# Altium PCB Calculator.PcbDoc
Units mm, origin at the board's own origin, x right, y up, seen from the top; angles counter-clockwise.
Board outline 115 x 85 mm, 2 copper layers (Top Layer, Bottom Layer), stack 1.591 mm thick; 66 components, 74 nets, 358 pads, 53 vias.
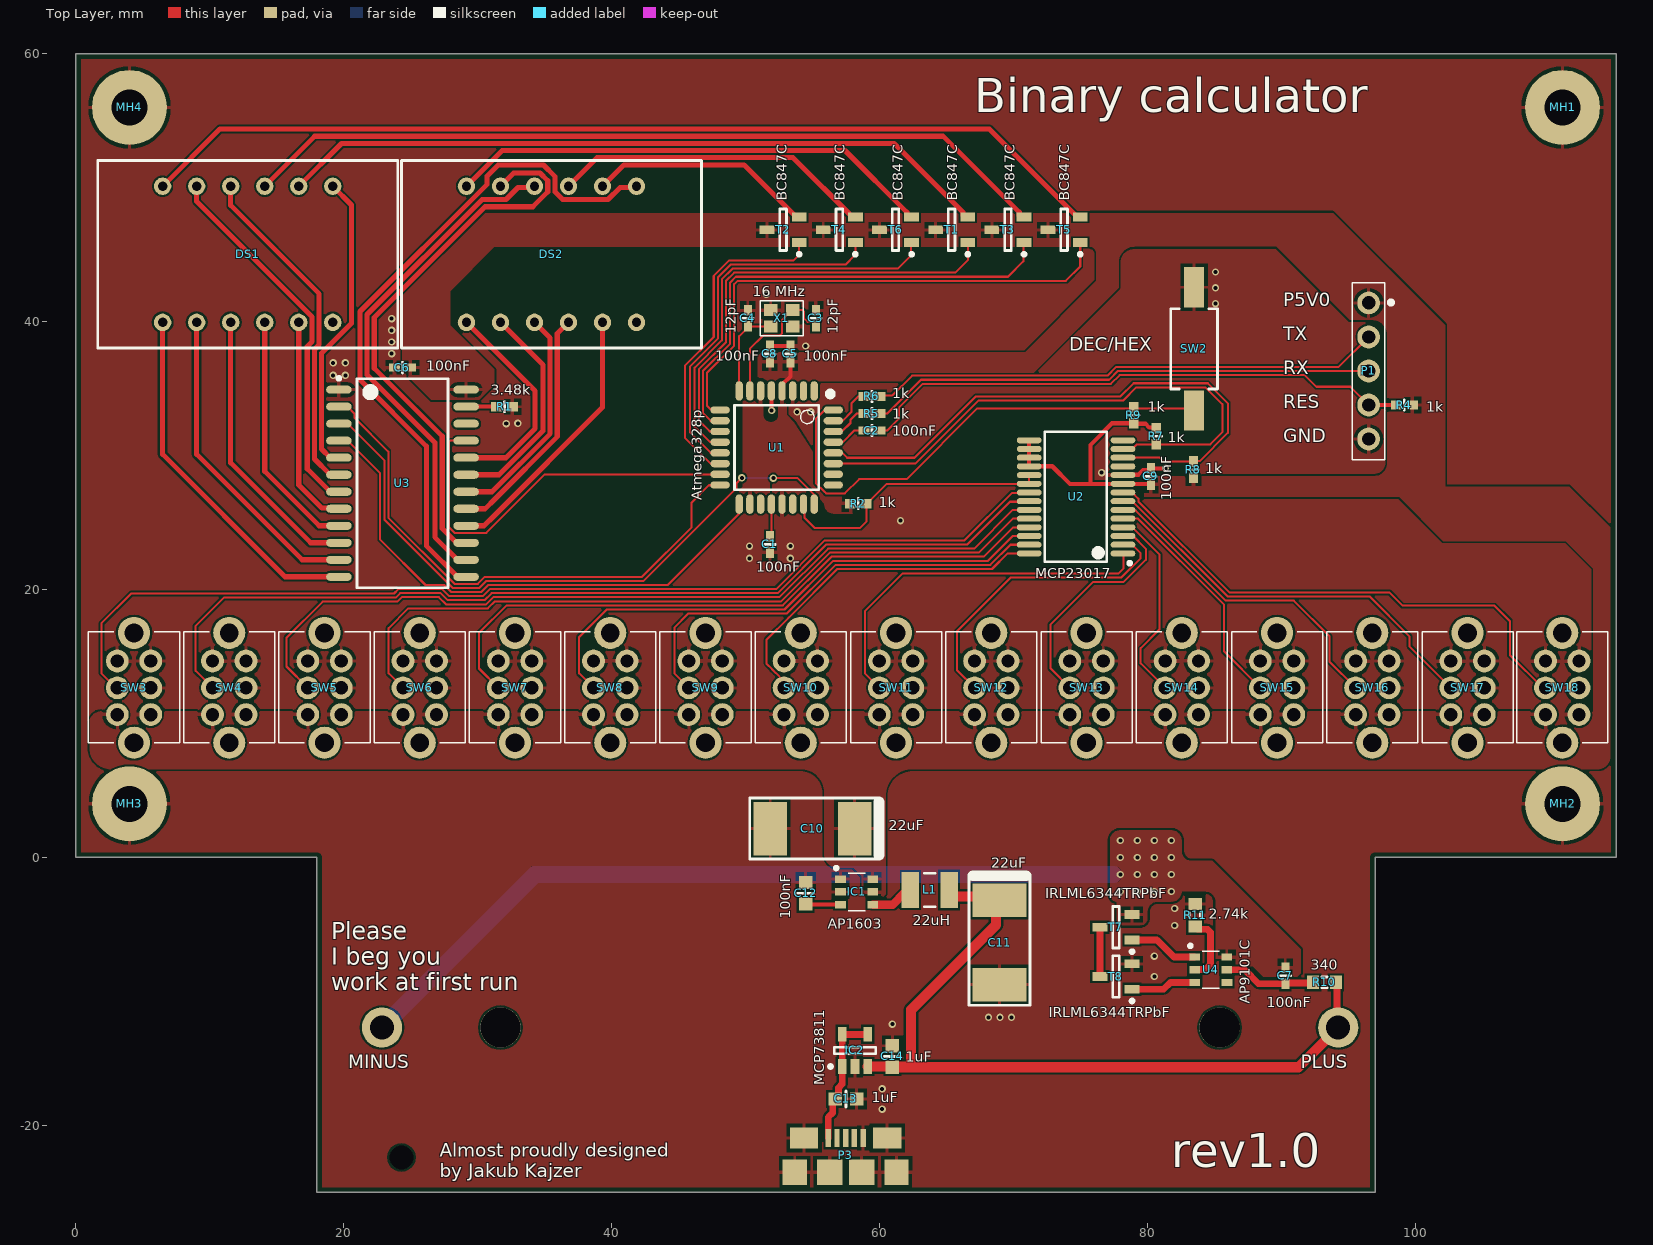
[diagram p0: Top Layer view]
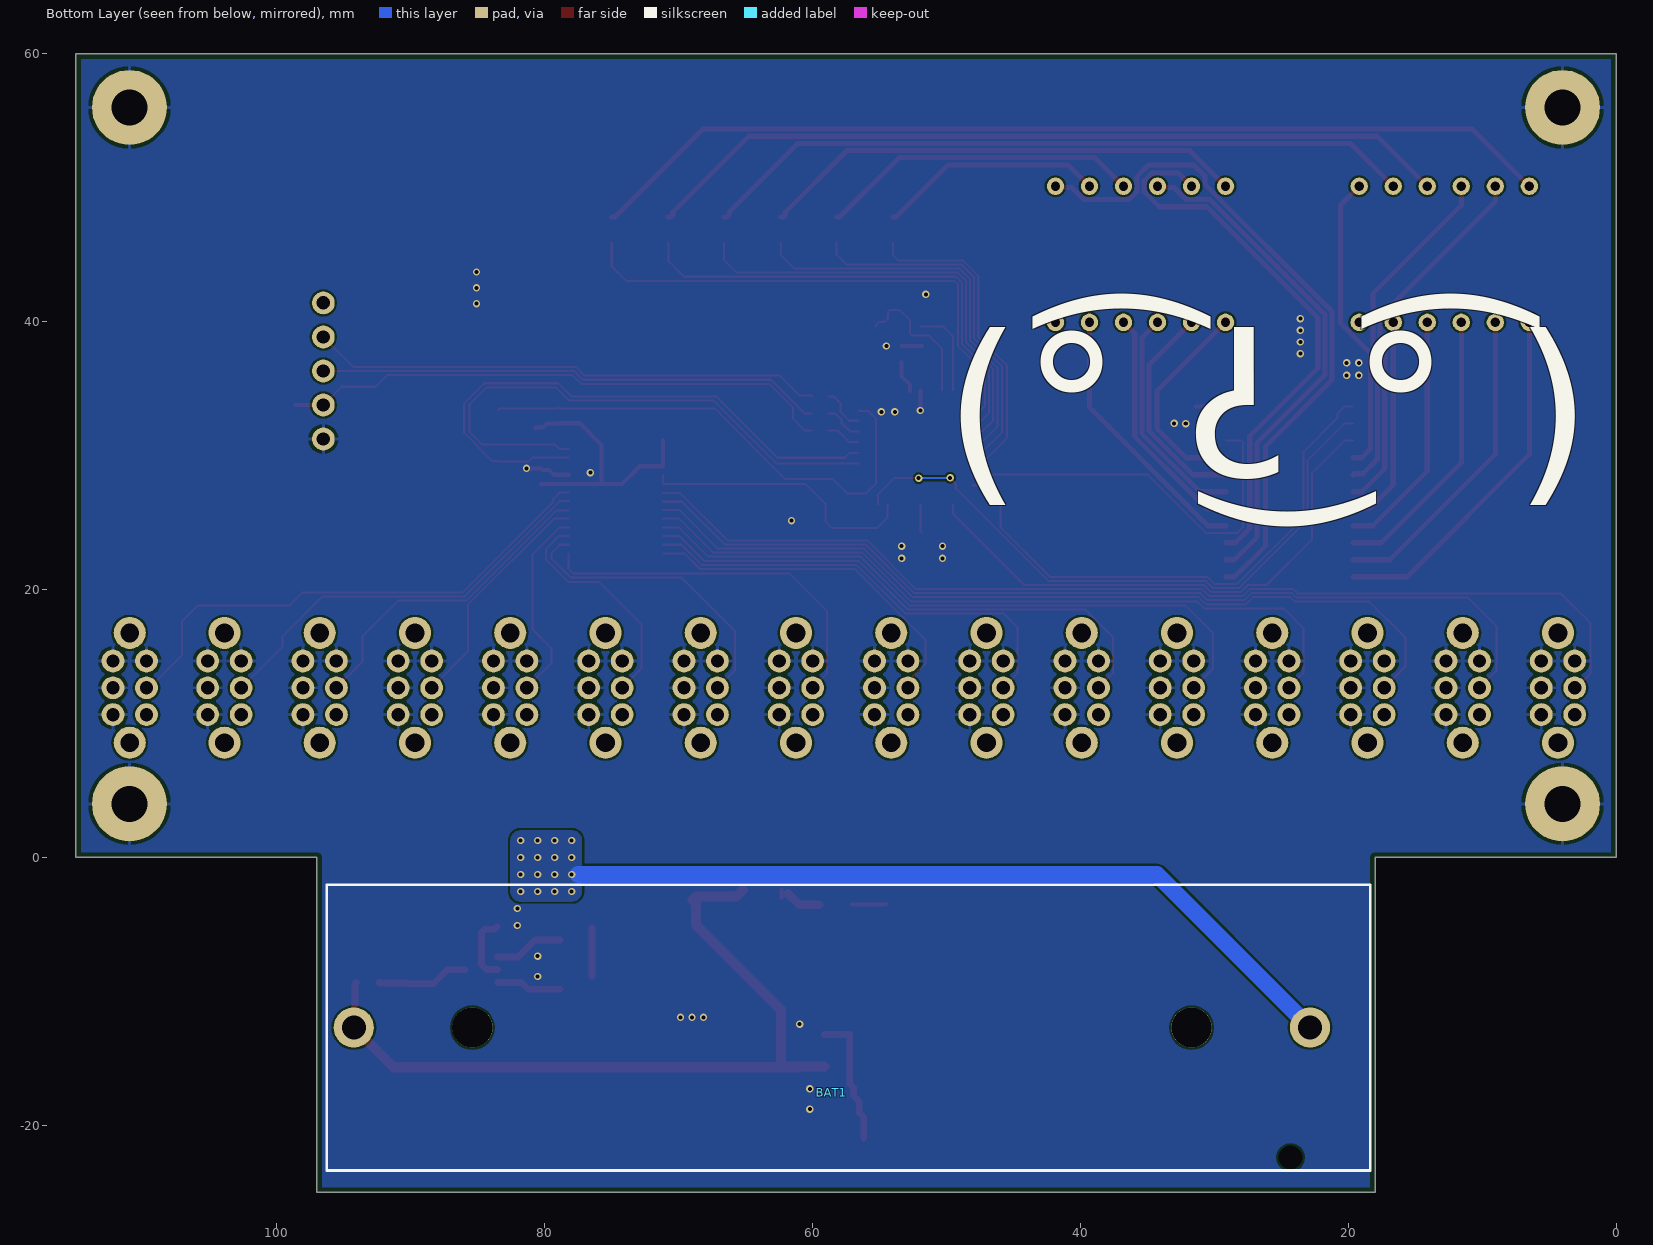
[diagram p1: Bottom Layer view, seen from below]
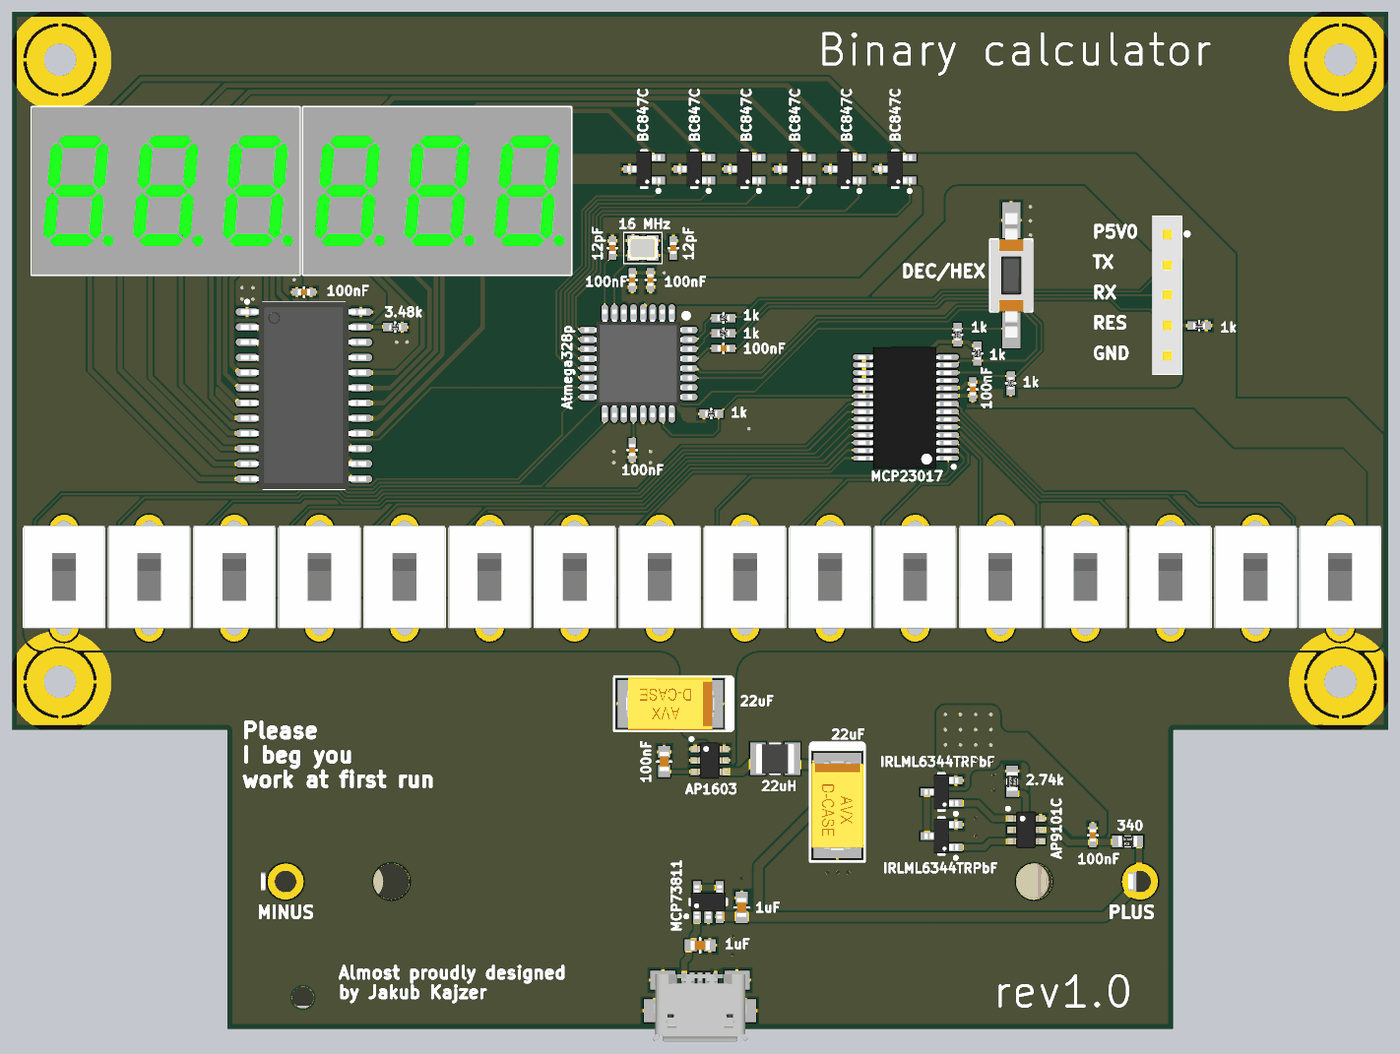
[diagram p2: 3D render of the assembled board from above, using the file's embedded part models]

## Layer stack, top to bottom
Top Solder: solder mask 0.0102, Solder Resist, Dk 3.5
Top Layer: signal copper 0.0356
Dielectric 1: dielectric 1.52, FR-4, Dk 4.8
Bottom Layer: signal copper 0.0356
Bottom Solder: solder mask 0.0102, Solder Resist, Dk 3.5

## Board outline
0,0 18,0 18,-25.004 97,-25.004 97,0 114.996,0 114.996,59.996 0,59.996

## Design rules (kind name [scope] priority, off if disabled: settings)
BoardOutlineClearance [All] p1: gap=0.381 ignorepadtopadclearanceinfootprint=FALSE
Clearance [All] p1: gap=0.152 ignorepadtopadclearanceinfootprint=FALSE except(0: Arc-Hole Track-Hole SMDPad-Hole THPad-Hole Via-Hole Fill-Hole Poly-Hole Region-Hole Text-Hole)
HoleSize [All] p1: absolutevalues=TRUE maxlimit=3.048 minlimit=0.025 maxpercent=80.000 minpercent=20.000
HoleToHoleClearance [All] p1: gap=0.254 allowstackedmicrovias=FALSE
MinimumSolderMaskSliver [All] p1: minsoldermaskwidth=0.152
PlaneConnect [All] p1: pad.planeconnectstyle=Relief pad.reliefexpansion=0.508 pad.reliefentries=4 pad.reliefconductorwidth=0.254 pad.reliefairgap=0.254 via.planeconnectstyle=Direct via.reliefexpansion=0.508 via.reliefentries=4 via.reliefconductorwidth=0.254 via.reliefairgap=0.254
PolygonConnect [All] p1: thpad.connectstyle=Relief thpad.reliefconductorwidth=0.254 thpad.reliefentries=4 thpad.polygonreliefangle="90 Angle" thpad.airgapwidth=0.254 smdpad.connectstyle=Relief smdpad.reliefconductorwidth=0.254 smdpad.reliefentries=4 smdpad.polygonreliefangle="90 Angle" smdpad.airgapwidth=0.254 via.connectstyle=Direct via.reliefconductorwidth=0.254 via.reliefentries=4 via.polygonreliefangle="90 Angle" via.airgapwidth=0.254
RoutingVias [All] p1: holewidth=0.3 width=0.55 viastyle="Through Hole" minholewidth=0.3 minwidth=0.55 maxholewidth=0.3 maxwidth=0.55
SilkToSilkClearance [All] p1: silktosilkclearance=0.102
SilkToSolderMaskClearance [IsPad] p1: minsilkscreentomaskgap=0.152 clearancetoexposedcopper=TRUE
SolderMaskExpansion [All] p1: expansion=0.102 istentingtop=FALSE
UnRoutedNet [All] p1: checkbadconnections=TRUE
Width [All] p1: maxlimit=1.27 minlimit=0.152 preferedwidth=0.305 minimp=50.000000 maximp=50.000000 favimp=50.000000
23 further rules are at their usual default settings.

## Classes and differential pairs
component class DCDC_Converter: C7 C10 C11 C12 C13 C14 IC1 IC2 L1 R10 R11 T7 T8 U4
component class uC: C1 C2 C3 C4 C5 C8 C9 R2 R4 R5 R6 R7 R8 R9 U1 U2 X1
component class LEDs: C6 DS1 DS2 R1 T1 T2 T3 T4 T5 T6 U3
component class Connectors_and_mechanical: BAT1 MH1 MH2 MH3 MH4 P1 P3 SW2 SW3 SW4 SW5 SW6 SW7 SW8 SW9 SW10 SW11 SW12 SW13 SW14 SW15 SW16 SW17 SW18

## Components (designator, comment, footprint, x,y, rotation, side; value= is the part's Value field where it differs from the comment)
BAT1 "=Value" "18650 Holder" 58.547,-12.7 r180 bottom
C1 "100nF" CAPC0402X60N 51.816,23.368 r90 top
C2 "100nF" CAPC0402X60N 59.436,31.877 r0 top
C3 "12pF" CAPC0402X60N 55.245,40.259 r90 top
C4 "12pF" CAPC0402X60N 50.165,40.259 r270 top
C5 "100nF" CAPC0402X60N 53.34,37.592 r270 top
C6 "100nF" CAPC0402X60N 24.384,36.576 r0 top
C7 "100nF" CAPC0402X60N 90.297,-8.83 r270 top
C8 "100nF" CAPC0402X60N 51.816,37.592 r270 top
C9 "100nF" CAPC0402X60N 80.264,28.448 r270 top
C10 "22uF" CAPC2917X310N 54.991,2.159 r180 top
C11 "22uF" CAPC2917X310N 68.961,-6.35 r270 top
C12 "100nF" CAPC0603X90N 54.483,-2.667 r270 top
C13 "1uF" CAPC0603X90N 57.493,-18.034 r180 top
C14 "1uF" CAPC0603X90N 60.96,-14.859 r270 top
DS1 "" 7seg_3digits 6.477,39.954 r0 top locked
DS2 "" 7seg_3digits 29.159,39.954 r0 top locked
IC1 "AP1603" SOT26 58.293,-2.569 r0 top
IC2 "MCP73811" SOT23-5 58.166,-14.409 r90 top
L1 "22uH" INDC1210X150N 63.754,-2.427 r180 top
MH1 "M2.5" MH-M2.5_COPPER#1 111.316,55.436 r0 top locked
MH2 "M2.5" MH-M2.5_COPPER#2 111.316,4 r0 top locked
MH3 "M2.5" MH-M2.5_COPPER#3 4,4 r0 top locked
MH4 "M2.5" MH-M2.5_COPPER#4 4,55.436 r0 top
P1 "SSW-105-02-G-S" SAMTEC_SSW-105-02-G-S 96.52,37.592 r270 top
P3 "USB Micro B" "USB Micro" 57.474,-22.22 r0 top
R1 "3.48k" RESC0402X40N 32.004,33.655 r180 top
R2 "1k" RESC0402X40N 58.42,26.416 r180 top
R4 "1k" RESC0402X40N 99.187,33.782 r0 top
R5 "1k" RESC0402X40N 59.436,33.147 r0 top
R6 "1k" RESC0402X40N 59.436,34.417 r0 top
R7 "1k" RESC0402X40N 80.67,31.445 r90 top
R8 "1k" RESC0402X40N 83.439,28.956 r270 top
R9 "1k" RESC0402X40N 78.994,33.02 r270 top
R10 "340" RESC0603X60N 93.218,-9.33 r180 top
R11 "2.74k" RESC0603X60N 83.566,-4.318 r270 top
SW2 "PTS636" PTS636_SMT_G 83.49,37.973 r270 top
SW3 "SS008B" SS008B-02P-22 4.338,12.668 r0 top
SW4 "SS008B" SS008B-02P-22 11.45,12.668 r0 top
SW5 "SS008B" SS008B-02P-22 18.562,12.668 r0 top
SW6 "SS008B" SS008B-02P-22 25.674,12.668 r0 top
SW7 "SS008B" SS008B-02P-22 32.786,12.668 r0 top
SW8 "SS008B" SS008B-02P-22 39.898,12.668 r0 top
SW9 "SS008B" SS008B-02P-22 47.01,12.668 r0 top
SW10 "SS008B" SS008B-02P-22 54.122,12.668 r0 top
SW11 "SS008B" SS008B-02P-22 61.234,12.668 r0 top
SW12 "SS008B" SS008B-02P-22 68.346,12.668 r0 top
SW13 "SS008B" SS008B-02P-22 75.458,12.668 r0 top
SW14 "SS008B" SS008B-02P-22 82.57,12.668 r0 top
SW15 "SS008B" SS008B-02P-22 89.682,12.668 r0 top
SW16 "SS008B" SS008B-02P-22 96.794,12.668 r0 top
SW17 "SS008B" SS008B-02P-22 103.906,12.668 r0 top
SW18 "SS008B" SS008B-02P-22 110.978,12.668 r0 top
T1 "BC847C" SOT23-3 65.393,46.863 r180 top
T2 "BC847C" SOT23-3 52.802,46.863 r180 top
T3 "BC847C" SOT23-3 69.59,46.863 r180 top
T4 "BC847C" SOT23-3 56.999,46.863 r180 top
T5 "BC847C" SOT23-3 73.787,46.863 r180 top
T6 "BC847C" SOT23-3 61.196,46.863 r180 top
T7 "IRLML6344TRPbF" SOT23-3 77.654,-5.207 r180 top
T8 "IRLML6344TRPbF" SOT23-3 77.654,-8.89 r180 top
U1 "Atmega328p" STM-LQFP32_N 52.324,30.607 r270 top
U2 "MCP23017" SSOP28 74.676,26.924 r180 top
U3 "" SOP-24_N 24.384,27.94 r0 top
U4 "AP9101C" SOT26 84.733,-8.382 r0 top
X1 "16 MHz" LFXTAL069392CUTT 52.705,40.259 r180 top

## Footprints (in the part's own frame and the unit in brackets; to place one, negate y for a bottom-side part, rotate by r counter-clockwise, add the part's x,y. Pads: shape width x height; smd on the part's side, far side on the other; paste and mask are expansions set on the pad)
7seg_3digits [mm] "7seg 3 digits LED Display, 12 Pin Body 22.5x14mm"
  round 1.3 hole 0.7: 1(0,0) 2(2.54,0) 3(5.08,0) 4(7.62,0) 5(10.16,0) 6(12.7,0) 7(12.7,10.16) 8(10.16,10.16) 9(7.62,10.16) 10(5.08,10.16) 11(2.54,10.16) 12(0,10.16)
  silkscreen extent -4.85,-1.92 17.55,12.08, body extent -4.85,-1.92 17.55,12.08, height 7.1
"18650 Holder" [mm] "18650 battery holder THT, 75x21mm body"
  round 3 hole 1.8: MINUS(35.7,0) PLUS(-35.7,0)
  round 3 hole 3: ""(-26.85,0) ""(26.85,0)
  round 0 hole 1.8: ""(34.25,-9.7)
  silkscreen extent -37.73,-10.67 40.18,10.67, body extent -37.5,-10.4 40.15,10.4, height 21.65
CAPC0402X60N [mm] "Chip Capacitor, Body 1.0x0.5mm, IPC Medium Density"
  rect 0.8x0.6 smd: 1(-0.6,0) 2(0.6,0)
  silkscreen extent 0,-0.4 0,0.4, body extent -0.5,-0.25 0.5,0.25, height 0.6
CAPC0603X90N [mm] "Chip Capacitor, Body 1.6x0.8mm, IPC Medium Density"
  rect 1x1 smd: 1(-0.8,0) 2(0.8,0)
  silkscreen extent 0,-0.6 0,0.6, body extent -0.8,-0.4 0.8,0.4, height 0.9
CAPC2917X310N [mm] "Chip Capacitor, Body 7.3x4.3mm, IPC Medium Density"
  rect 2.5x4 smd: 1(-3.15,0) 2(3.15,0)
  silkscreen extent -4.97,-2.27 4.67,2.27, body extent -3.7,-2.22 3.7,2.23, height 3.01
INDC1210X150N [mm] "Chip Inductor, Body 3.2x2.5mm, IPC Medium Density"
  rect 1.3x2.7 smd: 1(-1.45,0) 2(1.45,0)
  silkscreen extent -0.4,-1.25 0.4,1.25, body extent -1.6,-1.25 1.6,1.25, height 1.5
LFXTAL069392CUTT [mm]
  rect 1x0.9 smd: 1(-0.825,-0.613) 2(0.825,-0.613) 3(0.825,0.613) 4(-0.825,0.613)
  silkscreen extent -1.6,-1.3 1.6,1.3, body extent -1.25,-1 1.25,1, height 0.8
MH-M2.5_COPPER#1 [mm] "M2.5 screw Mounting Hole with copper without washer"
  round 5.6 hole 2.7 mask+1.5: MH(-0.32,0.56)
MH-M2.5_COPPER#2 [mm] "M2.5 screw Mounting Hole with copper without washer"
  round 5.6 hole 2.7 mask+1.5: MH(-0.32,0)
MH-M2.5_COPPER#3 [mm] "M2.5 screw Mounting Hole with copper without washer"
  round 5.6 hole 2.7 mask+1.5: MH(0,0)
MH-M2.5_COPPER#4 [mm] "M2.5 screw Mounting Hole with copper without washer"
  round 5.6 hole 2.7 mask+1.5: MH(0,0.56)
PTS636_SMT_G [mm] "SMD TACT Switch, 2-Leads, Body 6x3.5mm, IPC Medium Density"
  rect 3x1.5 smd: 1(-4.6,0) 2(4.6,0)
  silkscreen extent -3,-1.75 3,1.75, body extent -5.2,-1.75 5.2,1.75, height 5
RESC0402X40N [mm] "Chip Resistor, Body 1.1x0.5mm, IPC Medium Density"
  rect 0.8x0.7 smd: 1(-0.6,0) 2(0.6,0)
  silkscreen extent 0,-0.38 0,0.38, body extent -0.5,-0.25 0.5,0.25, height 0.35
RESC0603X60N [mm] "Chip Resistor, Body 1.6x0.8mm, IPC Medium Density"
  rect 0.9x1 smd: 1(-0.85,0) 2(0.85,0)
  silkscreen extent -0.2,-0.4 0.2,0.4, body extent -0.77,-0.42 0.78,0.43, height 0.45
SAMTEC_SSW-105-02-G-S [mm] "5 Contacts, Pitch 2.54mm - Top Entry, Single Row, Through Mount Straigh Socket"
  round 1.7 hole 1: 1(-3.81,0) 2(-1.27,0) 3(1.27,0) 4(3.81,0) 5(6.35,0)
  silkscreen extent -5.33,-1.21 7.9,1.82, body extent -5.33,-1.21 7.87,1.21, height 8.51
SOP-24_N [mm] "SOP, 24-Leads, Body 15,40x7,50mm, Pitch 1,27mm, IPC Medium Density"
  oval 1.9x0.6 smd: 1(-4.75,6.985) 2(-4.75,5.715) 3(-4.75,4.445) 4(-4.75,3.175) 5(-4.75,1.905) 6(-4.75,0.635) 7(-4.75,-0.635) 8(-4.75,-1.905) 9(-4.75,-3.175) 10(-4.75,-4.445) 11(-4.75,-5.715) 12(-4.75,-6.985) 13(4.75,-6.985) 14(4.75,-5.715) 15(4.75,-4.445) 16(4.75,-3.175) 17(4.75,-1.905) 18(4.75,-0.635) 19(4.75,0.635) 20(4.75,1.905) 21(4.75,3.175) 22(4.75,4.445) 23(4.75,5.715) 24(4.75,6.985)
  silkscreen extent -4.87,-7.8 3.4,7.96, body extent -5.27,-7.85 5.2,7.85, height 1.9
SOT23-3 [mm] "SOT, 3-Leads, Body 2.9x1.6mm, Pitch 0.95mm, IPC Medium Density"
  rect 1.1x0.65 smd: 1(-1.2,0.95) 2(-1.2,-0.95) 3(1.2,0)
  silkscreen extent -1.33,-1.55 0.25,1.95, body extent -1.4,-1.45 1.4,1.45, height 1.3
SOT23-5 [mm] "SOT, 5-Leads, Body 2.9x1.6mm, Pitch 0.95mm, IPC Medium Density"
  rect 1.1x0.65 smd: 1(-1.2,0.95) 2(-1.2,0) 3(-1.2,-0.95) 4(1.2,-0.95) 5(1.2,0.95)
  silkscreen extent -1.32,-1.55 0.25,1.95, body extent -1.4,-1.45 1.4,1.45, height 1.45
SOT26 [mm] "SOT, 6-Leads, Body 1.7x3.1mm, Pitch 0.95mm, IPC Medium Density"
  rect 0.8x0.55 smd: 1(-1.206,0.95) 2(-1.206,0) 3(-1.206,-0.95) 4(1.206,-0.95) 5(1.194,0) 6(1.194,0.95)
  silkscreen extent -1.64,-1.4 0.64,1.9, body extent -1.5,-1.55 1.5,1.55, height 1.4
SS008B-02P-22 [mm] "2 position; DPDT; 0,3A/30VDC; ON-ON; 50m?"
  round 1.7 hole 1: 1(-1.25,-2) 2(-1.25,0) 3(-1.25,2) 4(1.25,-2) 5(1.25,0) 6(1.25,2)
  round 2.4 hole 1.4: ""(0,-4.1) ""(0,4.1)
  silkscreen extent -3.4,-4.1 3.4,4.2, body extent -3.4,-4.2 3.4,4.4, height 9
SSOP28 [mm] "SSOP, 28-Leads, Body 10.2x7.8mm, Pitch 0.65mm, IPC Medium Density"
  oval 1.85x0.45 smd: 1(-3.5,4.225) 2(-3.5,3.575) 3(-3.5,2.925) 4(-3.5,2.275) 5(-3.5,1.625) 6(-3.5,0.975) 7(-3.5,0.325) 8(-3.5,-0.325) 9(-3.5,-0.975) 10(-3.5,-1.625) 11(-3.5,-2.275) 12(-3.5,-2.925) 13(-3.5,-3.575) 14(-3.5,-4.225) 15(3.5,-4.225) 16(3.5,-3.575) 17(3.5,-2.925) 18(3.5,-2.275) 19(3.5,-1.625) 20(3.5,-0.975) 21(3.5,-0.325) 22(3.5,0.325) 23(3.5,0.975) 24(3.5,1.625) 25(3.5,2.275) 26(3.5,2.925) 27(3.5,3.575) 28(3.5,4.225)
  silkscreen extent -4.13,-4.85 2.35,5.07, body extent -3.81,-5.07 3.99,5.13, height 2.06
STM-LQFP32_N [mm] "CQFP, 32-Leads, Body 9.00x9.00mm, Pitch 0.80mm, IPC Medium Density"
  oval 1.45x0.55 smd: 1(-4.225,2.8) 2(-4.225,2) 3(-4.225,1.2) 4(-4.225,0.4) 5(-4.225,-0.4) 6(-4.225,-1.2) 7(-4.225,-2) 8(-4.225,-2.8) 17(4.225,-2.8) 18(4.225,-2) 19(4.225,-1.2) 20(4.225,-0.4) 21(4.225,0.4) 22(4.225,1.2) 23(4.225,2) 24(4.225,2.8)
  oval 0.55x1.45 smd: 9(-2.8,-4.225) 10(-2,-4.225) 11(-1.2,-4.225) 12(-0.4,-4.225) 13(0.4,-4.225) 14(1.2,-4.225) 15(2,-4.225) 16(2.8,-4.225) 25(2.8,4.225) 26(2,4.225) 27(1.2,4.225) 28(0.4,4.225) 29(-0.4,4.225) 30(-1.2,4.225) 31(-2,4.225) 32(-2.8,4.225)
  silkscreen extent -4.2,-3.15 3.15,4.2, body extent -4.5,-4.5 4.5,4.5, height 1.6
"USB Micro" [mm] "USB B micro; SMT"
  rect 0.4x1.35 smd: 1(-1.3,1.275) 2(-0.65,1.275) 3(0,1.275) 4(0.65,1.275) 5(1.3,1.275)
  rect 1.8x1.9 smd: SH(-3.8,-1.275) SH(3.8,-1.275)
  rect 2.1x1.6 smd: SH(-3.1,1.275) SH(3.1,1.275)
  rect 1.9x1.9 smd: SH(-1.2,-1.275) SH(1.2,-1.275)
  body extent -3.98,-3.85 4.03,1.75, height 2.84
